# KiCad board TEST.kicad_pcb (continued)
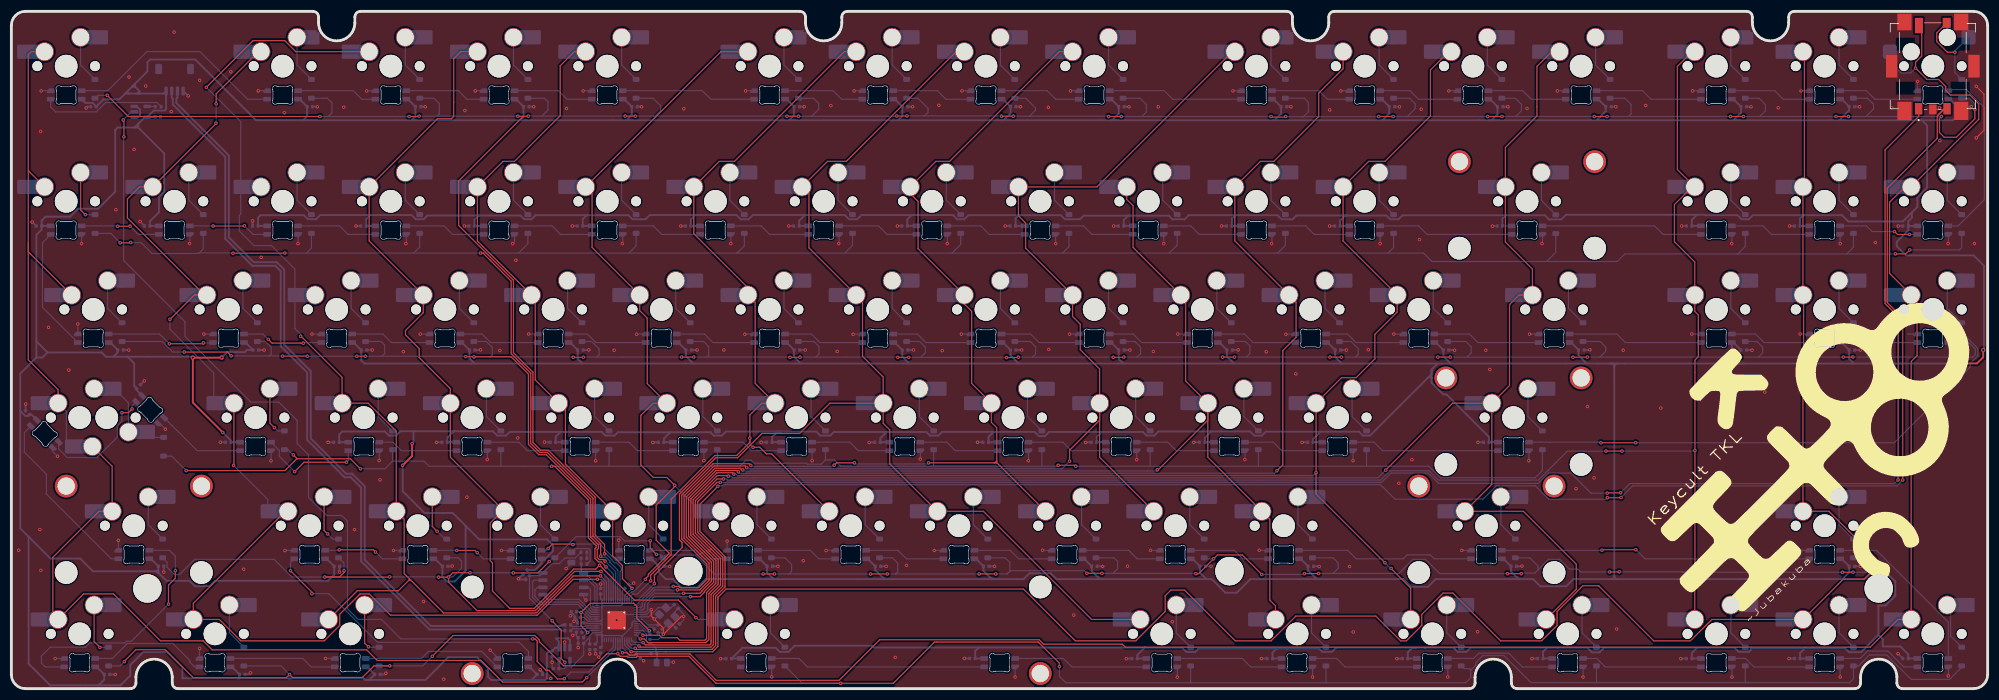
[diagram p0: board, top side]
## Routing (per net, layer and track width the routed paths; a pad name or vN(x,y) marks a point on that pad's centre or on a via; arc(x,y) is an arc through that point) (continued)
GP6: length 468.9
  Top w0.2: 84.27,75.5 87.99,71.78 87.99,59.01 91.43,55.57 91.43,43.2 93.01,41.61 94.35,41.61 102.38,33.58 102.38,26.88 103.74,25.52 v1(103.74,23.34) ; 84.4,75.37 83.04,76.73 v1(82.59,76.73) ; v1(48.16,76.73) 48.14,76.71 v1(39.02,76.71) ; v1(334.2,77.29) 333.5,76.59 v1(331.68,76.59) ; v1(19.16,78.54) 20.98,78.54 v1(21.03,78.59)
  Bottom w0.2: 108.71,76.73 127.74,76.73 ; 108.71,76.73 109.98,78 D22.1 ; 108.71,76.73 89.28,76.73 ; 127.74,76.73 127.76,76.73 127.9,76.87 ; 127.74,76.73 127.9,76.73 ; 203.82,76.73 223,76.73 ; 203.82,76.73 185.07,76.73 ; 203.82,76.73 205.23,78.14 D27.1 ; 223,76.73 242.38,76.73 ; 223,76.73 223,76.79 224.28,78.07 D28.1 ; D24.1 148.08,78.08 146.86,76.86 146.86,76.73 ; 323.12,76.57 324.29,77.74 D33.1 ; 323.12,76.57 303.93,76.57 ; 323.12,76.57 331.66,76.57 v1(331.68,76.59) ; 33.06,76.76 32.97,76.67 32.97,76.65 24.76,76.65 22.84,78.57 21.05,78.57 v1(21.03,78.59) ; 33.06,76.76 33.78,77.48 D18.1 ; 33.06,76.76 38.97,76.76 v1(39.02,76.71) ; 242.38,76.73 248.6,76.73 250.08,75.25 270.27,75.25 ; 242.38,76.73 242.38,76.76 243.33,77.71 D29.1 ; 270.27,75.25 282.71,75.25 284.03,76.57 303.93,76.57 ; 270.27,75.25 271.88,76.86 D31.1 ; D20.1 71.88,77.78 70.83,76.73 ; v1(19.16,78.54) 17.5,80.2 D17.1 ; D34.1 343.34,77.67 342.96,77.29 v1(334.2,77.29) ; 303.93,76.57 303.93,76.58 305.24,77.89 D32.1 ; 165.59,76.73 185.07,76.73 ; 165.59,76.73 146.86,76.73 ; 165.59,76.73 167.13,78.27 D25.1 ; 185.07,76.73 185.07,76.74 186.18,77.85 D26.1 ; 89.28,76.73 90.93,78.38 D21.1 ; 89.28,76.73 v1(82.59,76.73) 70.83,76.73 ; U3.8 106.76,20.85 105.34,22.27 105.34,22.5 104.69,23.15 103.93,23.15 v1(103.74,23.34) ; 51.92,76.73 70.83,76.73 ; 51.92,76.73 v1(48.16,76.73) ; 51.92,76.73 52.83,77.64 D19.1 ; 146.86,76.73 127.9,76.73 ; D23.1 129.03,78 127.9,76.87 ; 127.9,76.73 127.9,76.87
GP7: length 540.8
  Top w0.2: v1(278.65,100.79) v1(280.91,100.79) ; v1(157.67,100.9) 157.65,100.88 v1(155.87,100.88) ; v1(240.73,100.79) v1(243.24,100.79) ; v1(321.22,100.79) v1(323.42,100.79) ; v1(339.78,100.79) 339.44,100.45 339.44,97.97 340.26,97.14 342.42,97.14 345.66,100.38 v1(345.66,102.04) ; v1(54.32,100.79) 20.61,100.79 v1(16.87,104.53) ; v1(108.05,100.86) 109.84,100.86 v1(109.84,100.85) ; v1(71.78,100.85) 71.72,100.79 v1(70.01,100.79) ; v1(259.9,100.79) v1(262.42,100.79) ; v1(136.54,100.84) v1(138.59,100.84) ; v1(193.18,100.79) v1(195.39,100.79) ; v1(302.64,100.79) v1(304.91,100.79) ; v1(174.32,100.85) v1(176.39,100.85) ; 90.14,100.83 78.75,89.44 78.75,81.59 88.39,71.95 88.39,59.18 91.83,55.74 91.83,43.36 93.18,42.01 94.52,42.01 102.78,33.75 102.78,27.05 104.43,25.4 v1(104.43,23.76) ; 90.14,100.83 90.97,100.83 v1(91,100.86) ; 90.14,100.83 v1(89.17,100.83) ; v1(224.34,100.79) 224.24,100.69 221.86,100.69 v1(221.76,100.79)
  Bottom w0.2: D6.1 141.21,104.01 142.13,103.09 142.13,102.06 140.91,100.84 140.78,100.84 ; 284.54,100.79 v1(302.64,100.79) ; 284.54,100.79 284.7,100.79 285.15,101.24 285.15,102.92 284.06,104.01 D13.1 ; 284.54,100.79 v1(280.91,100.79) ; v1(224.34,100.79) 224.37,100.76 227.1,100.76 ; 160.63,100.9 174.27,100.9 v1(174.32,100.85) ; 160.63,100.9 v1(157.67,100.9) ; 160.63,100.9 160.78,100.9 161.38,101.5 161.38,102.23 159.6,104.01 D7.1 ; D16.1 344.7,104.01 345.63,103.08 345.63,102.06 ; D8.1 178.58,104.01 180.3,102.29 180.3,101.89 179.26,100.85 ; v1(155.87,100.88) 155.83,100.84 140.78,100.84 ; 307.77,100.79 308.77,101.79 308.77,102.91 307.67,104.01 D14.1 ; 307.77,100.79 v1(321.22,100.79) ; 307.77,100.79 v1(304.91,100.79) ; D11.1 246.15,104.01 247.14,103.02 247.14,102.18 245.75,100.79 245.61,100.79 ; 93.39,100.86 108.05,100.86 v1(108.05,100.86) ; 93.39,100.86 94.47,101.94 94.47,103.38 93.84,104.01 D4.1 ; 93.39,100.86 v1(91,100.86) ; 199.01,100.79 v1(221.76,100.79) ; 199.01,100.79 199.8,101.58 199.8,102.91 198.7,104.01 D9.1 ; 199.01,100.79 v1(195.39,100.79) ; 140.78,100.84 v1(138.59,100.84) ; v1(89.17,100.83) 89.15,100.85 74.97,100.85 ; 179.26,100.85 v1(176.39,100.85) ; 179.26,100.85 193.12,100.85 v1(193.18,100.79) ; v1(136.54,100.84) 136.52,100.86 113.08,100.86 ; 113.08,100.86 109.85,100.86 v1(109.84,100.85) ; 113.08,100.86 113.34,100.86 114.31,101.83 114.31,102.68 112.98,104.01 D5.1 ; 227.1,100.76 227.46,100.76 228.32,101.62 228.32,103.3 227.61,104.01 D10.1 ; 227.1,100.76 240.7,100.76 v1(240.73,100.79) ; 245.61,100.79 v1(259.9,100.79) ; 245.61,100.79 v1(243.24,100.79) ; 326.5,100.79 327.82,102.11 327.82,102.95 326.76,104.01 D15.1 ; 326.5,100.79 v1(323.42,100.79) ; 326.5,100.79 v1(339.78,100.79) ; 74.97,100.85 v1(71.78,100.85) ; 74.97,100.85 75.33,101.21 75.33,103.09 74.41,104.01 D3.1 ; 55.8,100.79 56.44,101.43 56.44,103.2 55.63,104.01 D2.1 ; 55.8,100.79 v1(54.32,100.79) ; 55.8,100.79 v1(70.01,100.79) ; D1.1 15.25,104.53 v1(16.87,104.53) ; D12.1 264.77,104.01 265.85,102.93 265.85,101.83 264.81,100.79 ; 264.81,100.79 v1(262.42,100.79) ; 264.81,100.79 v1(278.65,100.79) ; U3.9 107.16,20.63 107.36,20.83 107.36,21.33 106.53,22.16 106.18,22.16 105.74,22.6 105.74,22.72 104.71,23.76 v1(104.43,23.76)
GP8: length 118.8
  Top w0.2: MX5.1 99.1,112.2 96.62,109.72 96.62,100.93 88.57,92.88 86.53,92.88 MX21.1 82.04,78.86 MX39.1 92.23,68.68 92.23,54.39 MX57.1 97.54,49.08 97.54,39.55 MX70.1 105.85,23.41 107.57,21.69 107.57,19.38 v1(109.26,17.69)
  Bottom w0.2: v1(109.26,17.69) 107.96,16.39 U3.11
GP9: length 136.4
  Top w0.2: MX6.1 124.9,112.2 MX22.1 102.23,87.25 102.23,77.73 MX40.1 110.62,66.59 111.94,65.27 111.94,53.73 MX58.1 112.97,50.29 110.81,48.13 110.81,39.41 113.01,37.21 115.39,37.21 v1(116.76,35.84) 116.76,35.58 113.52,32.34 113.52,26.15 115.75,23.91 115.75,23.77 112.14,20.16 112.14,19.86 111.62,19.34 v1(111.62,19.25)
  Bottom w0.2: MX71.1 121.35,31.25 v1(116.76,35.84) ; v1(111.62,19.25) 111.62,19.2 109.51,17.09 109.23,17.09 108.36,16.22 U3.12
GP10: length 151.9
  Top w0.2: v1(112.54,18.99) 112.54,19.99 116.15,23.6 116.15,33.37 123.85,41.07 127.67,41.07 130.01,43.41 v1(130.01,44.12) 130.01,48.2 132.09,50.29 MX59.1 130.94,53.78 130.94,68.07 MX41.1 129.67,70.61 120.14,80.14 MX23.1 124.63,92.88 127.3,92.88 146.62,112.2 MX7.1 ; MX72.1 133.83,41.36 132.92,41.36 131.75,42.53 v1(130.56,42.53)
  Bottom w0.2: U3.13 108.76,16.03 108.81,16.08 108.81,16.09 109.38,16.66 110.21,16.66 v1(112.54,18.99) ; v1(130.56,42.53) 130.01,43.08 v1(130.01,44.12)
GP11: length 214.8
  Top w0.2: MX60.1 153.48,54.9 149.84,58.54 149.84,68.22 MX42.1 140.41,77.65 140.41,87.17 MX24.1 143.68,92.88 146.99,92.88 166.31,112.2 MX8.1 ; MX60.1 153.48,46.74 154.63,45.59 154.63,39.61 MX73.1 171.12,31.24 190.17,12.19 MX83.1 ; MX60.1 144.09,50.29 138.76,44.96 132.13,44.96 127.84,40.67 124.01,40.67 117.62,34.27 117.62,26.2 118.08,25.74 118.08,24.85 113.2,19.97 v1(113.2,18.5)
  Bottom w0.2: U3.14 110.09,15.5 110.28,15.69 110.39,15.69 v1(113.2,18.5)
GP12: length 195.7
  Top w0.2: 173.47,39.82 173.43,39.78 173.02,39.78 ; 173.47,39.82 173.47,40.14 ; 173.47,39.82 MX74.1 ; 173.47,40.14 173.47,45.96 172.53,46.9 MX61.1 169.06,53.76 169.06,66.46 167.77,67.75 MX43.1 159.61,77.5 159.61,85.85 158.24,87.22 MX25.1 162.73,92.88 165.16,92.88 184.48,112.2 MX9.1 ; 173.47,40.14 173.11,39.78 173.02,39.78 ; v1(116.53,18) 117.03,18 117.53,18 117.73,17.8 121,17.8 122.44,19.24 122.44,21.94 120.78,23.6 120.77,23.6 118.02,26.36 118.02,34.11 123.54,39.63 129.88,39.63 v1(130.16,39.34) ; v1(148.42,39.78) 145.27,39.78 v1(144.86,39.37) ; 173.02,39.78 v1(161.46,39.78)
  Bottom w0.2: 112.9,17.6 112.9,17.61 113.19,17.9 116.43,17.9 v1(116.53,18) ; 112.9,17.6 110,14.7 U3.15 ; 112.9,17.6 112.9,17.62 ; v1(161.46,39.78) 161.26,39.58 148.62,39.58 v1(148.42,39.78) ; v1(144.86,39.37) 144.63,39.14 130.36,39.14 v1(130.16,39.34)
GP13: length 230.1
  Top w0.2: MX62.1 191.58,40.76 MX75.1 ; MX62.1 191.58,56.32 188.18,59.72 188.18,64.19 186.82,65.55 MX44.1 178.55,77.61 178.55,82.03 177.29,83.29 MX26.1 191.11,88.39 214.93,112.2 MX10.1 ; MX62.1 191.58,47.29 186.29,42 v1(186.29,40.08) ; v1(117.28,17.4) 121.19,17.4 121.19,17.42 122.84,19.07 122.84,22.11 121.18,23.77 121.17,23.77 118.42,26.53 118.42,33.94 123.71,39.23 129.17,39.23 v1(129.46,38.94)
  Bottom w0.2: U3.16 110.79,14.26 111.06,14.53 111.06,15.19 113.27,17.4 v1(117.28,17.4) ; v1(186.29,40.08) 184.97,38.76 184.97,38.74 129.66,38.74 v1(129.46,38.94)
GP14: length 220.6
  Top w0.2: MX63.1 210.63,40.76 MX76.1 221.55,29.84 221.55,15.58 222.53,14.6 MX84.1 ; MX63.1 210.63,47.29 201.88,38.54 v1(201.73,38.54) ; MX63.1 206.72,54.2 206.72,68.49 MX45.1 197.47,77.74 197.47,85.07 196.34,86.2 MX27.1 ; v1(118.35,16.8) 120.62,16.8 120.63,16.79 121.18,16.79 121.59,17.2 121.59,17.26 123.24,18.91 123.24,22.27 121.58,23.93 121.58,23.94 118.82,26.69 118.82,33.77 123.87,38.83 128.3,38.83 128.72,38.41 128.74,38.43 v1(128.74,38.54)
  Bottom w0.2: v1(128.74,38.54) 128.92,38.54 129.12,38.34 201.53,38.34 v1(201.73,38.54) ; U3.17 111.14,13.86 111.46,14.18 111.46,15.03 113.23,16.8 v1(118.35,16.8)
GP15: length 228.2
  Top w0.2: v1(127.97,38.19) 127.74,38.43 124.04,38.43 119.22,33.61 119.22,26.86 121.98,24.1 121.98,24.1 123.64,22.44 123.64,18.74 121.99,17.09 121.99,16.97 121.22,16.2 v1(119.56,16.2) ; 222.81,38.39 223.83,39.41 223.83,59.57 226.17,61.91 226.17,68.09 MX46.1 215.39,78.86 MX28.1 219.88,92.88 222.24,92.88 230.15,100.79 230.15,104.91 234.44,109.2 MX11.1
  Bottom w0.2: v1(119.56,16.2) 113.2,16.2 112.04,15.04 112.04,13.86 111.64,13.46 U3.18 ; 222.81,38.39 v1(222.8,38.4) 222.35,37.94 128.23,37.94 v1(127.97,38.19)
GP16: length 280.8
  Top w0.2: MX12.1 253.03,112.2 249.82,109 249.82,100.9 241.8,92.88 238.93,92.88 MX29.1 234.44,78.86 MX47.1 243.97,66.34 240.03,62.4 240.03,58.08 236.73,54.78 234.17,54.78 MX64.1 v1(229.68,38.05) 229.68,34.3 v1(241.81,22.17) ; MX85.1 246.35,17.72 v1(242.89,21.18) ; v1(127.2,37.79) 126.96,38.03 124.2,38.03 119.62,33.44 119.62,27.03 122.38,24.27 122.38,24.27 122.61,24.04 122.85,23.8 122.85,23.8 124.04,22.61 124.04,18.58 122.39,16.93 122.39,8.8 122.1,8.51 117.7,8.51 117.24,8.97 114.53,8.97 114.09,9.41 v1(111.18,9.41)
  Bottom w0.2: v1(229.68,38.05) 229.17,37.54 127.78,37.54 127.53,37.79 v1(127.2,37.79) ; v1(242.89,21.18) 242.8,21.18 v1(241.81,22.17) ; v1(111.18,9.41) 110.73,9.86 U3.27
GP17: length 318.2
  Top w0.2: v1(126.22,37.43) 126.1,37.54 124.28,37.54 120.02,33.28 120.02,27.19 122.78,24.44 122.78,24.44 123.01,24.2 123.02,24.2 124.44,22.78 124.44,18.41 122.79,16.76 122.79,8.63 122.27,8.11 112.07,8.11 111.43,8.76 v1(110.72,8.76) ; v1(241.94,38.5) 253.73,50.29 MX65.1 ; MX65.1 260.63,36 MX77.1 266.18,31.24 275.52,21.9 275.5,21.87 275.5,17.53 MX86.1 ; MX65.1 263.74,53.4 263.74,67.65 265.43,69.34 MX48.1 267.78,73.9 263.02,78.66 MX31.1 263.02,95.33 268.58,100.89 268.58,109.63 271.15,112.2 MX13.1
  Bottom w0.2: v1(110.72,8.76) 110.02,9.46 U3.28 ; v1(241.94,38.5) 240.58,37.14 127,37.14 126.71,37.43 v1(126.22,37.43)
GP18: length 329.9
  Top w0.2: MX14.1 295.89,112.2 293.29,109.6 293.29,91.45 MX32.1 295.89,88.39 292.77,85.27 292.77,78.74 296.35,75.16 MX49.1 296.35,66.45 296.98,65.82 296.98,58.49 296.38,57.89 v1(296.38,41.94) 296.38,21.61 296.35,21.58 296.35,19.96 296.35,19.95 MX87.1 ; v1(125.37,36.94) 124.25,36.94 120.42,33.11 120.42,27.36 123.18,24.6 123.18,24.6 124.84,22.95 124.84,18.24 123.19,16.59 123.19,8.38 123.19,8.38 123.19,7.92 122.97,7.71 111.62,7.71 v1(111.21,8.12) ; v1(283.54,41.84) 283.52,41.86 v1(280.73,41.86)
  Bottom w0.2: U3.29 109.65,8.14 111.19,8.14 v1(111.21,8.12) ; v1(125.37,36.94) 125.87,36.94 126.07,36.74 241.06,36.74 242.71,38.39 249.6,38.39 251.24,36.75 268.83,36.75 273.92,41.84 280.71,41.84 v1(280.73,41.86) ; v1(296.38,41.94) 296.28,41.84 v1(283.54,41.84)
GP19: length 329.8
  Top w0.2: S1.A 335.79,102.14 335.79,100.84 329.85,94.9 329.85,67.83 332.16,65.52 v1(332.16,36.77) ; v1(124.79,36.34) 124.22,36.34 120.82,32.94 120.82,27.52 125.24,23.11 125.24,18.08 123.59,16.43 123.59,8.22 123.59,8.22 123.59,7.76 123.14,7.31 110.72,7.31 v1(110.5,7.54) ; v1(280.93,34.44) 280.99,34.5 v1(283.3,34.5)
  Bottom w0.2: U3.30 108.76,8.06 109.09,7.73 110.3,7.73 v1(110.5,7.54) ; v1(280.93,34.44) 278.09,34.44 274.54,37.99 270.63,37.99 268.81,36.16 251.24,36.16 249.41,37.99 242.87,37.99 241.22,36.33 241.21,36.34 v1(124.79,36.34) ; v1(283.3,34.5) 284.93,36.13 331.52,36.13 v1(332.16,36.77)
GP20: length 334.5
  Top w0.2: v1(283.38,33.67) 283.35,33.64 v1(280.96,33.64) ; 340.08,101.95 339.21,101.09 339.21,101.04 339.04,100.86 339.04,96.94 330.25,88.15 330.25,68 332.96,65.29 v1(332.96,36.76) ; 340.08,101.95 340.29,102.16 S1.B ; 340.08,101.95 339.85,101.72 339.85,101.71 339.21,101.07 ; v1(109.82,7.11) 110.02,6.91 123.31,6.91 123.99,7.59 123.99,8.05 123.99,8.05 123.99,16.26 125.64,17.91 125.64,23.28 121.22,27.69 121.22,32.5 v1(124.38,35.65)
  Bottom w0.2: U3.31 108.36,7.89 109.14,7.11 v1(109.82,7.11) ; v1(280.96,33.64) 280.69,33.37 270.65,33.37 268.29,35.73 261.41,35.73 259.07,33.38 243.58,33.38 241.02,35.94 125.35,35.94 125.14,35.73 124.46,35.73 v1(124.38,35.65) ; v1(283.38,33.67) 285.44,35.73 331.97,35.73 332.96,36.72 v1(332.96,36.76)
GP21: length 370.1
  Top w0.2: v1(109.11,6.51) 115.32,6.51 ; 115.06,6.51 123.47,6.51 124.39,7.42 124.39,16.1 125.83,17.54 178.18,17.54 187.3,8.42 197.96,8.42 203.12,13.58 203.12,16.35 204.13,17.37 206.52,17.37 215.47,8.42 221.77,8.42 226.13,12.78 240.21,12.78 244.57,8.42 245.58,8.42 248.3,11.14 248.3,13.09 252.04,16.83 253.77,16.83 262.18,8.42 269.4,8.42 272.11,11.14 272.11,13.57 276.66,18.12 279.44,18.12 289.14,8.42 295.59,8.42 299.36,12.19 MX88.1 322.52,19.31 326.18,19.31 328.22,21.35 328.22,23.01 319.99,31.24 MX78.1 315.4,58.12 315.51,58.23 315.51,69.23 MX50.1 MX33.1 315.66,88.65 315.66,111.94 MX15.1
  Bottom w0.2: 109.11,6.53 108.71,6.93 108.71,6.93 107.96,7.68 U3.32
GP22: length 367.2
  Top w0.2: S1.D 336.3,116.32 336.3,111.44 335.22,110.35 v1(335.22,109.32) 337.23,107.31 339.29,107.31 340.55,106.05 340.55,105.38 341.37,104.56 344.8,104.56 346.35,103.02 346.35,100.29 MX34.1 333.35,88.39 330.65,85.69 330.65,73.14 MX51.1 335.49,68.3 335.49,58.67 334.45,57.63 MX89.1 332.12,12.19 327.23,7.3 196.1,7.3 195.58,7.83 181.73,7.83 180.94,8.61 152.86,8.61 145.71,1.46 124.11,1.46 119.46,6.11 109.86,6.11 109.66,5.91 108.76,5.91 108.34,6.33 v1(107.59,6.33)
  Bottom w0.2: v1(335.22,109.32) 334.36,108.46 332.69,108.46 330.7,110.45 MX16.1 ; U3.34 107.16,6.76 v1(107.59,6.33)
GP23: length 395.2
  Top w0.2: v1(74.11,5.7) 77.77,9.36 92.16,9.36 92.97,8.55 92.97,8.27 97.2,4.04 102.74,4.04 104.85,6.15 v1(106.75,6.15) 107.2,5.7 108.4,5.7 108.6,5.51 110,5.51 110.2,5.71 119.29,5.71 124.06,0.94 v1(146.02,0.94) 155.25,0.94 162.52,8.21 180.78,8.21 184.5,4.49 v1(184.5,3.88) ; v1(19.9,4.77) 19.9,4.83 21.92,6.85 27.09,6.85 32.02,1.92 48.4,1.92 v1(48.97,2.49) 49.47,1.98 61.81,1.98 63.84,4.01 v1(66.62,4.01)
  Bottom w0.2: 256.93,3.31 256.73,3.51 255.73,3.51 D85.1 ; 256.93,3.31 256.93,1.95 256.02,1.04 231.5,1.04 ; 256.93,3.31 256.98,3.31 257.81,4.15 257.81,4.6 259.01,5.8 262.79,5.8 267.53,1.06 279.07,1.06 ; D86.1 279.05,1.08 279.07,1.06 ; 207.73,1.04 207.61,1.16 D83.1 ; 207.73,1.04 185.64,1.04 184.5,2.18 v1(184.5,3.88) ; 207.73,1.04 231.5,1.04 ; 305.34,1.06 305.24,1.16 D87.1 ; 305.34,1.06 279.07,1.06 ; 305.34,1.06 323.55,1.06 323.58,1.03 324.29,1.74 D88.1 325.18,4 327.11,5.93 330.15,5.93 334.44,1.64 341.23,1.64 343.34,3.75 D89.1 ; v1(146.02,0.94) 139.23,0.94 D82.1 ; D84.1 231.42,1.11 231.5,1.04 ; D81.1 66.61,4 v1(66.62,4.01) 72.42,4.01 v1(74.11,5.7) ; v1(106.75,6.15) 106.76,6.16 106.76,6.98 106.76,6.98 U3.35 ; v1(48.97,2.49) 47.45,4 D80.1 ; D79.1 19.13,4 v1(19.9,4.77)
GP24: length 240.1
  Top w0.2: 2.98,91.25 2.98,78.54 ; 2.98,91.25 MX17.1 ; 2.98,91.25 2.98,111.68 3.51,112.2 MX1.1 ; 2.98,78.54 2.98,57.91 8.22,52.67 MX53.1 ; 2.98,78.54 2.98,76.96 MX35.1 ; v1(101.29,1.95) 100.51,1.17 86.47,1.17 82.68,4.96 64.42,4.96 62.55,6.83 35.34,6.83 33.75,8.42 26.25,8.42 18,16.68 12.71,16.68 MX79.1 7.31,13.11 7.31,23.13 15.41,31.24 MX66.1 17.75,39.18 MX52.2
  Bottom w0.2: U3.36 106.36,7.02 v1(101.29,1.95) ; MX53.1 9.69,48.82 9.69,43.69 MX52.2
GP25: length 167.2
  Top w0.2: v1(97.35,1.77) 97.28,1.7 96.16,1.7 94.64,3.22 94.14,3.22 92.57,4.79 92.57,8.38 92.19,8.76 v1(91.79,8.76) ; v1(19.81,97.21) 19.81,100.06 v1(19.69,100.18)
  Bottom w0.2: v1(91.79,8.76) 68.57,8.76 65.13,12.2 61.03,12.2 59.16,14.08 59.16,29.5 58.16,30.5 55.51,30.5 52.31,33.7 52.31,41.2 50.31,43.2 50.31,47.24 47.08,50.48 42.16,50.48 30.56,62.08 30.56,64.63 19.76,75.43 19.76,97.17 v1(19.81,97.21) ; U1.2 21.13,101.62 v1(19.69,100.18) ; v1(97.35,1.77) 98.49,2.91 101.61,2.91 105.96,7.26 U3.37
Net-(C19-Pad2): length 3.1
  Bottom w0.2: C19.2 116.17,11.5 Y1.1 114.62,10.5 R8.1
Net-(D1-A): length 8.5
  Bottom w0.2: D1.2 12.19,109.85 MX1.2
Net-(D2-A): length 8.5
  Bottom w0.2: MX2.2 50.29,109.85 D2.2
Net-(D3-A): length 8.5
  Bottom w0.2: D3.2 69.34,109.85 MX3.2
Net-(D4-A): length 8.5
  Bottom w0.2: MX4.2 88.39,109.85 D4.2
Net-(D5-A): length 8.5
  Bottom w0.2: D5.2 107.44,109.85 MX5.2
Net-(D6-A): length 8.5
  Bottom w0.2: D6.2 136.02,109.85 MX6.2
Net-(D7-A): length 8.5
  Bottom w0.2: MX7.2 155.07,109.85 D7.2
Net-(D8-A): length 8.5
  Bottom w0.2: MX8.2 174.12,109.85 D8.2
Net-(D9-A): length 8.5
  Bottom w0.2: MX9.2 193.17,109.85 D9.2
Net-(D10-A): length 8.5
  Bottom w0.2: MX10.2 221.74,109.85 D10.2
Net-(D11-A): length 8.5
  Bottom w0.2: D11.2 240.79,109.85 MX11.2
Net-(D12-A): length 8.5
  Bottom w0.2: D12.2 259.84,109.85 MX12.2
Net-(D13-A): length 8.5
  Bottom w0.2: D13.2 278.89,109.85 MX13.2
Net-(D14-A): length 8.5
  Bottom w0.2: MX14.2 302.7,109.85 D14.2
Net-(D15-A): length 8.5
  Bottom w0.2: D15.2 321.75,109.85 MX15.2
Net-(D17-A): length 9.5
  Top w0.2: v1(13.03,83.5) 12.19,84.34 MX17.2
  Bottom w0.2: D17.2 v1(13.03,83.5)
Net-(D18-A): length 8.5
  Bottom w0.2: MX18.2 31.24,86.04 D18.2
Net-(D19-A): length 8.5
  Bottom w0.2: MX19.2 50.29,86.04 D19.2
Net-(D20-A): length 8.5
  Bottom w0.2: MX20.2 69.34,86.04 D20.2
Net-(D21-A): length 8.5
  Bottom w0.2: MX21.2 88.39,86.04 D21.2
Net-(D22-A): length 8.5
  Bottom w0.2: D22.2 107.44,86.04 MX22.2
Net-(D23-A): length 8.5
  Bottom w0.2: MX23.2 126.49,86.04 D23.2
Net-(D24-A): length 8.5
  Bottom w0.2: D24.2 145.54,86.04 MX24.2
Net-(D25-A): length 8.5
  Bottom w0.2: MX25.2 164.59,86.04 D25.2
Net-(D26-A): length 8.5
  Bottom w0.2: MX26.2 183.64,86.04 D26.2
Net-(D27-A): length 8.5
  Bottom w0.2: MX27.2 202.69,86.04 D27.2
Net-(D28-A): length 8.5
  Bottom w0.2: D28.2 221.74,86.04 MX28.2
Net-(D29-A): length 8.5
  Bottom w0.2: MX29.2 240.79,86.04 D29.2
Net-(D31-A): length 8.5
  Bottom w0.2: MX31.2 269.37,85.99 D31.2
Net-(D32-A): length 8.5
  Bottom w0.2: MX32.2 302.7,86.04 D32.2
Net-(D33-A): length 8.5
  Bottom w0.2: D33.2 321.75,86.04 MX33.2
Net-(D34-A): length 8.5
  Bottom w0.2: D34.2 340.8,86.04 MX34.2
Net-(D35-A): length 8.5
  Bottom w0.2: D35.2 16.95,66.99 16.95,71.88
Net-(D36-A): length 8.5
  Bottom w0.2: D36.2 40.77,66.99 MX36.2
Net-(D37-A): length 8.5
  Bottom w0.2: D37.2 59.82,66.99 MX37.2
Net-(D38-A): length 8.5
  Bottom w0.2: MX38.2 78.87,66.99 D38.2
Net-(D39-A): length 8.5
  Bottom w0.2: D39.2 97.92,66.99 MX39.2
Net-(D40-A): length 8.5
  Bottom w0.2: D40.2 116.97,66.99 MX40.2
Net-(D41-A): length 8.5
  Bottom w0.2: MX41.2 136.02,66.99 D41.2
Net-(D42-A): length 8.5
  Bottom w0.2: D42.2 155.07,66.99 MX42.2
Net-(D43-A): length 8.5
  Bottom w0.2: D43.2 174.12,66.99 MX43.2
Net-(D44-A): length 8.5
  Bottom w0.2: MX44.2 193.17,66.99 D44.2
Net-(D45-A): length 8.5
  Bottom w0.2: MX45.2 212.22,66.99 D45.2
Net-(D46-A): length 8.5
  Bottom w0.2: D46.2 231.27,66.99 MX46.2
Net-(D47-A): length 8.5
  Bottom w0.2: MX47.2 250.32,66.99 D47.2
Net-(D48-A): length 8.5
  Bottom w0.2: MX48.2 274.13,66.99 D48.2
Net-(D49-A): length 8.5
  Bottom w0.2: MX49.2 302.7,66.99 D49.2
Net-(D50-A): length 8.5
  Bottom w0.2: D50.2 321.75,66.99 MX50.2
Net-(D51-A): length 8.5
  Bottom w0.2: MX51.2 340.8,66.99 D51.2
Net-(D53-A): length 11.7
  Bottom w0.2: 24.15,45.21 25.1,44.26 D53.2 ; MX53.2 20.6,50.35 MX52.1
Net-(D54-A): length 9.2
  Top w0.2: v1(46.32,45.98) 45.53,46.77 MX54.2
  Bottom w0.2: D54.2 46.9,45.4 v1(46.32,45.98)
Net-(D55-A): length 8.5
  Bottom w0.2: D55.2 64.58,47.94 MX55.2
Net-(D56-A): length 8.5
  Bottom w0.2: D56.2 83.63,47.94 MX56.2
Net-(D57-A): length 8.5
  Bottom w0.2: MX57.2 102.68,47.94 D57.2
Net-(D58-A): length 8.5
  Bottom w0.2: D58.2 121.73,47.94 MX58.2
Net-(D59-A): length 8.5
  Bottom w0.2: MX59.2 140.78,47.94 D59.2
Net-(D60-A): length 8.5
  Bottom w0.2: D60.2 159.83,47.94 MX60.2
Net-(D61-A): length 8.5
  Bottom w0.2: D61.2 178.88,47.94 MX61.2
Net-(D62-A): length 8.5
  Bottom w0.2: MX62.2 197.93,47.94 D62.2
Net-(D63-A): length 8.5
  Bottom w0.2: MX63.2 216.98,47.94 D63.2
Net-(D64-A): length 8.5
  Bottom w0.2: D64.2 236.03,47.94 MX64.2
Net-(D65-A): length 8.5
  Bottom w0.2: D65.2 266.98,47.94 MX65.2
Net-(D66-A): length 8.5
  Bottom w0.2: MX66.2 24.1,28.89 D66.2
Net-(D67-A): length 9.1
  Top w0.2: MX67.2 55.05,27.88 v1(55.69,27.24)
  Bottom w0.2: v1(55.69,27.24) 56.58,26.35 D67.2
Net-(D68-A): length 8.7
  Top w0.2: MX68.2 74.1,28.57 v1(74.95,27.72)
  Bottom w0.2: D68.2 76.32,26.35 v1(74.95,27.72)
Net-(D69-A): length 8.5
  Bottom w0.2: D69.2 93.15,28.89 MX69.2
Net-(D70-A): length 8.5
  Bottom w0.2: 112.2,33.78 112.2,28.89 D70.2
Net-(D71-A): length 8.5
  Bottom w0.2: MX71.2 131.25,28.89 D71.2
Net-(D72-A): length 8.5
  Bottom w0.2: 150.3,33.78 150.3,28.89 D72.2
Net-(D73-A): length 8.5
  Bottom w0.2: D73.2 169.35,28.89 MX73.2
Net-(D74-A): length 8.5
  Bottom w0.2: MX74.2 188.4,28.89 D74.2
Net-(D75-A): length 8.5
  Bottom w0.2: 207.45,33.78 207.45,28.89 D75.2
Net-(D76-A): length 8.5
  Bottom w0.2: MX76.2 226.5,28.89 D76.2
Net-(D77-A): length 8.5
  Bottom w0.2: MX77.2 262.22,28.89 D77.2
Net-(D78-A): length 8.5
  Bottom w0.2: MX78.2 321.75,28.89 D78.2
Net-(D79-A): length 9.4
  Top w0.2: MX79.2 14.57,8.3 v1(15.6,7.27)
  Bottom w0.2: D79.2 15.63,7.3 v1(15.6,7.27)
Net-(D80-A): length 8.5
  Bottom w0.2: D80.2 38.38,9.84 MX80.2
Net-(D81-A): length 9.5
  Top w0.2: v1(62.86,7.37) 62.2,8.03 MX81.2
  Bottom w0.2: D81.2 62.93,7.3 v1(62.86,7.37)
Net-(D82-A): length 8.5
  Bottom w0.2: MX82.2 133.63,9.84 D82.2
Net-(D83-A): length 8.5
  Bottom w0.2: D83.2 205.07,9.84 MX83.2
Net-(D84-A): length 8.5
  Bottom w0.2: D84.2 228.88,9.84 MX84.2
Net-(D85-A): length 8.5
  Bottom w0.2: MX85.2 252.7,9.84 D85.2
Net-(D86-A): length 8.5
  Bottom w0.2: D86.2 276.51,9.84 MX86.2
Net-(D87-A): length 8.5
  Bottom w0.2: MX87.2 302.7,9.84 D87.2
Net-(D88-A): length 8.5
  Bottom w0.2: D88.2 321.75,9.84 MX88.2
Net-(D89-A): length 8.5
  Bottom w0.2: D89.2 341.39,9.25 341.39,14.14 MX89.2
Net-(LED1-DOUT): length 39
  Bottom w0.2: LED1.2 16.97,105.33 23.86,112.23 33.21,112.23 41.6,103.83 LED2.3
Net-(LED2-DOUT): length 14.2
  Bottom w0.2: LED3.3 61.7,103.83 60.2,105.33 LED2.2
Net-(LED3-DOUT): length 14.2
  Bottom w0.2: LED3.2 78.7,105.33 80.2,103.83 LED4.3
Net-(LED4-DOUT): length 14.2
  Bottom w0.2: LED5.3 97.83,103.83 96.33,105.33 LED4.2
Net-(LED5-DOUT): length 23.7
  Bottom w0.2: LED6.3 123.15,103.83 121.65,105.33 LED5.2
Net-(LED6-DOUT): length 14.2
  Bottom w0.2: LED7.3 146.17,103.83 146.16,103.83 144.65,105.33 LED6.2
Net-(LED7-DOUT): length 14.2
  Bottom w0.2: LED8.3 164.53,103.83 163.03,105.33 LED7.2
Net-(LED8-DOUT): length 14.2
  Bottom w0.2: LED8.2 182.35,105.33 183.85,103.83 LED9.3
Net-(LED10-DIN): length 23.7
  Bottom w0.2: LED10.3 204.45,103.83 202.95,105.33 LED9.2
Net-(LED10-DOUT): length 14.2
  Bottom w0.2: LED11.3 231.68,103.83 230.18,105.33 LED10.2
Net-(LED11-DOUT): length 14.2
  Bottom w0.2: LED12.3 247.73,103.83 246.23,105.33 LED11.2
Net-(LED12-DOUT): length 14.2
  Bottom w0.2: LED13.3 267.55,103.83 266.05,105.33 LED12.2
Net-(LED13-DOUT): length 19
  Bottom w0.2: LED14.3 288.65,103.83 287.15,105.33 LED13.2
Net-(LED14-DOUT): length 14.2
  Bottom w0.2: LED14.2 310.43,105.33 311.93,103.83 LED15.3
Net-(LED15-DOUT): length 14.2
  Bottom w0.2: LED15.2 326.55,105.33 328.05,103.83 LED16.3
Net-(LED16-DOUT): length 32.2
  Bottom w0.2: LED16.2 341.18,105.53 344.18,105.53 347.33,102.38 347.33,86.14 342.71,81.52 LED34.3
Net-(LED17-DIN): length 14.2
  Top w0.2: v1(18.71,81.45) 20.86,81.45 v1(20.88,81.48)
  Bottom w0.2: LED17.3 18.64,81.52 v1(18.71,81.45) ; v1(20.88,81.48) 22.34,80.02 LED18.2
Net-(LED17-DOUT): length 22.2
  Bottom w0.2: LED17.2 5.48,78.57 5.48,67.18 LED35.3
Net-(LED18-DIN): length 14.2
  Top w0.2: v1(41.03,81.53) 41.01,81.5 v1(35.51,81.5)
  Bottom w0.2: v1(41.03,81.53) 42.54,80.02 LED19.2 ; LED18.3 35.49,81.52 v1(35.51,81.5)
Net-(LED19-DIN): length 14.2
  Bottom w0.2: LED20.2 59.26,80.02 57.76,81.52 LED19.3
Net-(LED20-DIN): length 14.2
  Bottom w0.2: LED20.3 76.16,81.52 77.66,80.02 LED21.2
Net-(LED21-DIN): length 14.2
  Bottom w0.2: LED21.3 95.16,81.52 96.66,80.02 LED22.2
Net-(LED22-DIN): length 14.2
  Bottom w0.2: LED23.2 114.49,80.02 112.98,81.53 112.98,81.52 LED22.3
Net-(LED23-DIN): length 14.2
  Bottom w0.2: LED24.2 133.49,80.02 131.99,81.52 LED23.3
Net-(LED24-DIN): length 14.2
  Bottom w0.2: LED25.2 154.14,80.02 152.64,81.52 LED24.3
Net-(LED25-DIN): length 14.2
  Bottom w0.2: LED25.3 170.66,81.52 172.16,80.02 LED26.2
Net-(LED26-DIN): length 14.2
  Bottom w0.2: LED27.2 190.24,80.02 188.74,81.52 LED26.3
Net-(LED27-DIN): length 14.2
  Bottom w0.2: LED27.3 207.61,81.52 209.11,80.02 LED28.2
Net-(LED28-DIN): length 14.2
  Bottom w0.2: LED29.2 229.36,80.02 227.86,81.52 LED28.3
Net-(LED29-DIN): length 23.7
  Bottom w0.2: LED29.3 247.71,81.52 249.21,80.02 LED31.2
Net-(LED31-DIN): length 28.5
  Bottom w0.2: LED32.2 290.76,80.02 289.26,81.52 LED31.3
Net-(LED32-DIN): length 14.2
  Bottom w0.2: LED32.3 308.36,81.52 309.86,80.02 LED33.2
Net-(LED33-DIN): length 14.2
  Top w0.2: v1(331.51,80.53) 331.53,80.53 332.06,80 v1(334.13,80)
  Bottom w0.2: LED33.3 326.56,81.52 327.56,80.53 v1(331.51,80.53) ; v1(334.13,80) 334.15,80.02 LED34.2
Net-(LED35-DOUT): length 19.2
  Top w0.2: v1(33.81,60.9) 33.66,60.75 v1(27.81,60.75)
  Bottom w0.2: LED35.2 26.09,62.47 v1(27.81,60.75) ; LED36.3 35.43,60.9 v1(33.81,60.9)
Net-(LED36-DOUT): length 14.3
  Top w0.2: v1(51.38,60.85) 51.36,60.88 45.88,60.88 v1(45.23,61.53)
  Bottom w0.2: LED36.2 44.29,62.47 v1(45.23,61.53) ; v1(51.38,60.85) 51.5,60.97 LED37.3
